# KiCad board IO_SDR_1.1.kicad_pcb (continued)
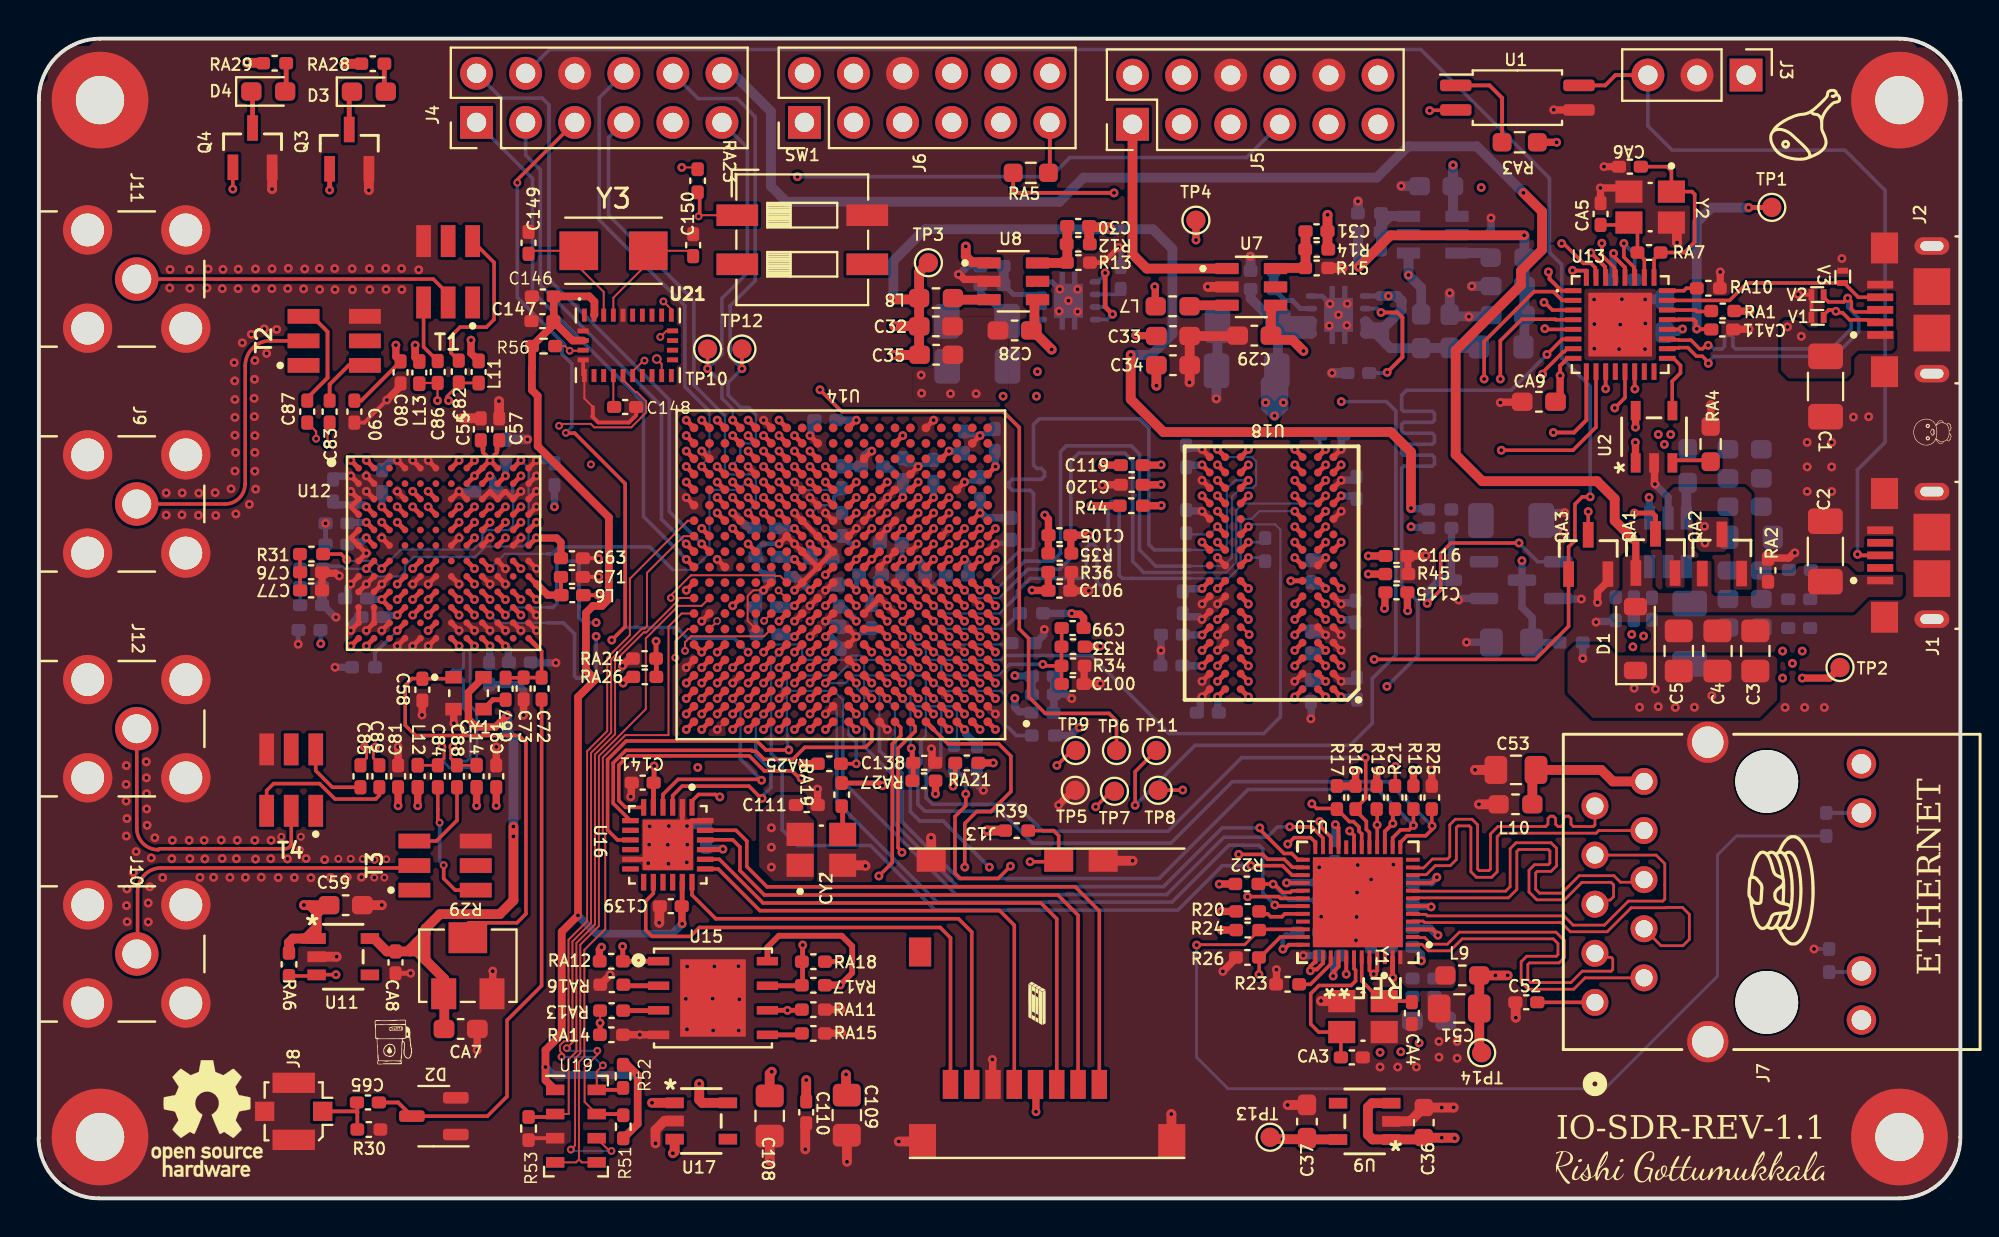
[diagram p0: board, top side]
## Nets (continued)
GND: C1.2 C2.2 C3.2 C4.2 C5.2 C6.2 C7.2 C8.2 C9.2 C11.2 C12.2 C13.2 C15.2 C16.2 C17.2 C18.2 C19.2 C20.2 C21.2 C22.2 C23.2 C24.2 C25.2 C26.2 C27.2 C28.2 C29.2 C32.2 C33.2 C34.2 C35.2 C36.2 C37.2 C38.2 C39.2 C40.2 C41.2 C42.2 C43.2 C44.2 C45.2 C46.2 C47.2 C48.2 C49.2 C50.2 C51.2 C52.1 C53.1 C54.2 C55.2 C56.2 C57.2 C58.2 C59.2 C60.2 C61.2 C62.2 C63.2 C64.2 C66.2 C68.2 C69.2 C70.2 C71.2 C73.2 C74.2 C75.2 C76.1 C77.1 C78.1 C79.1 C80.2 C81.2 C90.2 C91.2 C92.2 C93.2 C94.2 C95.2 C96.2 C97.2 C98.2 C100.2 C101.2 C102.2 C103.2 C104.2 C106.2 C107.2 C108.2 C109.2 C110.2 C111.2 C112.2 C113.2 C114.2 C116.2 C117.2 C118.2 C120.2 C121.2 C122.2 C123.2 C124.2 C125.2 C126.2 C127.2 C128.2 C129.2 C130.2 C131.2 C132.2 C133.2 C134.2 C135.2 C136.2 C137.2 C138.2 C139.2 C140.2 C141.2 C146.2 C147.2 C148.2 C149.2 C150.2 CA1.2 CA2.2 CA3.2 CA4.2 CA5.2 CA6.2 CA7.2 CA8.2 CA9.1 CA10.1 CA11.1 CY1.2 CY2.2 D2.1 D2.2 H1.1 H2.1 H3.1 H4.1 J1.5 J1.S1 J1.S2 J1.S3 J1.S4 J1.S5 J1.S6 J2.5 J2.S1 J2.S2 J2.S3 J2.S4 J2.S5 J2.S6 J3.2 J4.6 J5.6 J5.10 J6.6 J7.15 J7.16 J8.2 J9.SH1 J9.SH2 J9.SH3 J9.SH4 J10.SH1 J10.SH2 J10.SH3 J10.SH4 J11.SH1 J11.SH2 J11.SH3 J11.SH4 J12.SH1 J12.SH2 J12.SH3 J12.SH4 J13.6 J13.S1 J13.S2 J13.S3 J13.S4 L10.1 Q1.2 Q2.2 Q3.2 Q4.2 QA3.2 R5.2 R7.2 R9.2 R11.2 R13.2 R15.2 R23.1 R25.1 R26.1 R27.2 R29.3 R30.2 R34.2 R36.2 R38.2 R43.2 R45.2 R46.2 R47.2 R53.2 RA2.2 RA4.2 RA8.2 RA10.2 RA11.2 RA14.2 RA15.2 RA16.2 RA24.1 SW1.4 T1.4 T2.4 T3.4 T4.4 TP5.1 U1.3 U2.2 U3.2 U4.2 U5.4 U5.9 U6.4 U6.9 U7.2 U8.2 U9.2 U10.47 U10.49 U11.2 U12.A4 U12.A5 U12.A6 U12.A12 U12.B1 U12.B2 U12.B12 U12.C1 U12.C2 U12.C4 U12.C7 U12.C8 U12.C9 U12.C10 U12.C11 U12.C12 U12.D1 U12.D12 U12.E1 U12.F1 U12.F3 U12.F7 U12.F9 U12.F11 U12.G1 U12.G10 U12.G12 U12.H1 U12.H2 U12.H3 U12.H5 U12.H6 U12.H7 U12.H9 U12.H10 U12.J1 U12.J2 U12.K1 U12.K2 U12.K12 U12.L1 U12.L2 U12.L3 U12.L7 U12.L8 U12.L9 U12.L10 U12.L11 U12.L12 U12.M4 U12.M5 U12.M6 U13.33 U14.A8 U14.A18 U14.B1 U14.B11 U14.C4 U14.C9 U14.C14 U14.D17 U14.E10 U14.E20 U14.F3 U14.F7 U14.F10 U14.G10 U14.G12 U14.G16 U14.H7 U14.H9 U14.H11 U14.H13 U14.H19 U14.J2 U14.J8 U14.J12 U14.K5 U14.K7 U14.K11 U14.K13 U14.K15 U14.L8 U14.L12 U14.L18 U14.M1 U14.M6 U14.M7 U14.M11 U14.M13 U14.N4 U14.N8 U14.N10 U14.N12 U14.N14 U14.P7 U14.P9 U14.P11 U14.P13 U14.P17 U14.R8 U14.R12 U14.R20 U14.T3 U14.T7 U14.T13 U14.U6 U14.U16 U14.V9 U14.V19 U14.W2 U14.W12 U14.Y5 U14.Y15 U15.4 U15.9 U16.2 U16.11 U16.24 U16.25 U17.2 U18.A9 U18.B1 U18.B3 U18.B9 U18.D1 U18.D8 U18.E1 U18.E2 U18.E8 U18.F9 U18.G1 U18.G8 U18.G9 U18.J2 U18.J8 U18.M1 U18.M9 U18.P1 U18.P9 U18.T1 U18.T9 U19.3 U21.2 U21.5 U21.6 U21.25 V1.1 V2.1 V3.1 Y1.2 Y1.4 Y2.2 Y2.4
VCC: C37.1 C38.1 C41.1 C43.1 C45.1 C47.1 C50.1 J7.14 R16.1 R17.1 R18.1 R19.1 R20.1 R22.2 R24.1 TP13.1 U9.5 U10.6 U10.37 U10.38 U10.41 U10.44 U10.45
VDDA1P1_RX_VCO: R32.2 U12.A11 U12.G2
+12L: C23.1 C27.1 C54.1 C56.1 C60.1 C62.1 C64.1 C69.1 C70.1 R8.1 U5.1 U5.2 U12.B9 U12.B10 U12.E2 U12.F2 U12.J3 U12.K3
+VSW: C71.1 L6.2 U12.H12
/Sheet1/TPP: C13.1 L2.2 L3.2 U5.5 U5.7 U5.8 U6.5 U6.7 U6.8
/Sheet2/LED0_AD0: R24.2 R28.2 U10.34
/Sheet2/LED1_AD1: J7.11 R26.2 U10.35
/Sheet2/LED2_RXDLY: R20.2 U10.32
/Sheet2/MAC_MDC: RA5.1 U10.30
/Sheet2/MDI0_N: J7.3 U10.2
/Sheet2/MDI0_P: J7.2 U10.1
/Sheet2/MDI1_N: J7.7 U10.5
/Sheet2/MDI1_P: J7.4 U10.4
/Sheet2/MDI2_N: J7.6 U10.8
/Sheet2/MDI2_P: J7.5 U10.7
/Sheet2/MDI3_N: J7.9 U10.11
/Sheet2/MDI3_P: J7.8 U10.10
/Sheet2/REGOUT: L9.1 U10.48
/Sheet2/RGMI_YE-: J7.13 R28.1
/Sheet2/RGMII_GR-: J7.12 R27.1
/Sheet2/XTAL_IN: CA3.1 U10.42 Y1.3
/Sheet2/XTAL_OUT: CA4.1 U10.43 Y1.1
/Sheet3/REFCLK: CA5.1 RA7.1 U13.26 Y2.3
/Sheet3/RX1A_N: C85.1 U12.M2
/Sheet3/RX1A_P: C89.1 U12.M1
/Sheet3/RX2A_N: C83.1 U12.A1
/Sheet3/RX2A_P: C87.1 U12.A2
/Sheet3/SUP: C65.1 C72.2 D2.3
/Sheet3/TX1A_N: C84.1 L12.1 U12.M8
/Sheet3/TX1A_P: C88.1 L14.1 U12.M7
/Sheet3/TX2A_N: C82.1 L11.1 U12.A7
/Sheet3/TX2A_P: C86.1 L13.1 U12.A8
/Sheet3/UB1: J11.1 T1.2
/Sheet3/UB2: J9.1 T2.2
/Sheet3/UB3: J10.1 T3.2
/Sheet3/UB4: J12.1 T4.2
/Sheet3/XO: CA6.1 RA7.2 U13.25 Y2.1
/Sheet3/XT1: C67.2 C72.1 C73.1 U12.M12
/Sheet4/CMDB0: J13.3 U16.20
/Sheet4/CMDB1: J13.5 U16.19
/Sheet4/DAT0: J13.7 U16.18
/Sheet4/DAT1: J13.8 U16.14
/Sheet4/DAT2: J13.1 U16.23
/Sheet4/DAT3: J13.2 U16.22
/Sheet4/DDR-CK_N: R48.2 U14.M2 U18.K7
/Sheet4/DDR-CK_P: R48.1 U14.L2 U18.J7
/Sheet4/DDR-DQ0: U14.C3 U18.E3
/Sheet4/DDR-DQ1: U14.B3 U18.F7
/Sheet4/DDR-DQ2: U14.A2 U18.F2
/Sheet4/DDR-DQ3: U14.A4 U18.F8
/Sheet4/DDR-DQ4: U14.D3 U18.H3
/Sheet4/DDR-DQ5: U14.D1 U18.H8
/Sheet4/DDR-DQ6: U14.C1 U18.G2
/Sheet4/DDR-DQ7: U14.E1 U18.H7
/Sheet4/DDR-DQ8: U14.E2 U18.D7
/Sheet4/DDR-DQ9: U14.E3 U18.C3
/Sheet4/DDR-DQ10: U14.G3 U18.C8
/Sheet4/DDR-DQ11: U14.H3 U18.C2
/Sheet4/DDR-DQ12: U14.J3 U18.A7
/Sheet4/DDR-DQ13: U14.H2 U18.A2
/Sheet4/DDR-DQ14: U14.H1 U18.B8
/Sheet4/DDR-DQ15: U14.J1 U18.A3
/Sheet4/DDR-LDM: U14.A1 U18.E7
/Sheet4/DDR-LDQS_N: U14.B2 U18.G3
/Sheet4/DDR-LDQS_P: U14.C2 U18.F3
/Sheet4/DDR-RESET: R46.1 U14.B4 U18.T2
/Sheet4/DDR-UDM: U14.F1 U18.D3
/Sheet4/DDR-UDQS_N: U14.F2 U18.B7
/Sheet4/DDR-UDQS_P: U14.G2 U18.C7
/Sheet4/H6: C99.2 C100.1 R33.2 R34.1 U14.H6
/Sheet4/P6: C105.2 C106.1 R35.2 R36.1 U14.P6
/Sheet4/PS-DDR-A0: U14.N2 U18.N3
/Sheet4/PS-DDR-A1: U14.K2 U18.P7
/Sheet4/PS-DDR-A2: U14.M3 U18.P3
/Sheet4/PS-DDR-A3: U14.K3 U18.N2
/Sheet4/PS-DDR-A4: U14.M4 U18.P8
/Sheet4/PS-DDR-A5: U14.L1 U18.P2
/Sheet4/PS-DDR-A6: U14.L4 U18.R8
/Sheet4/PS-DDR-A7: U14.K4 U18.R2
/Sheet4/PS-DDR-A8: U14.K1 U18.T8
/Sheet4/PS-DDR-A9: U14.J4 U18.R3
/Sheet4/PS-DDR-A10: U14.F5 U18.L7
/Sheet4/PS-DDR-A11: U14.G4 U18.R7
/Sheet4/PS-DDR-A12: U14.E4 U18.N7
/Sheet4/PS-DDR-A13: U14.D4 U18.T3
/Sheet4/PS-DDR-A14: U14.F4 U18.T7
/Sheet4/PS-DDR-BA0: U14.L5 U18.M2
/Sheet4/PS-DDR-BA1: U14.R4 U18.N8
/Sheet4/PS-DDR-BA2: U14.J5 U18.M3
/Sheet4/PS-DDR-CAS: U14.P5 U18.K3
/Sheet4/PS-DDR-CKE: U14.N3 U18.K9
/Sheet4/PS-DDR-CS: U14.N1 U18.L2
/Sheet4/PS-DDR-ODT: U14.N5 U18.K1
/Sheet4/PS-DDR-RAS: U14.P4 U18.J3
/Sheet4/PS-DDR-WE: U14.M5 U18.L3
/Sheet4/XTAL111: CY2.3 RA19.2
AD9363_AUXADC: U12.L5
AD9363_AUXDAC1: U12.B3
AD9363_AUXDAC2: U12.C3
AD9363_GPO_0: U12.B7
AD9363_GPO_1: U12.B6
AD9363_GPO_2: U12.B5
AD9363_GPO_3: U12.B4
BNO_boot: R56.2 U14.H15 U21.4
BNO_RESET: U14.G19 U21.11
CD: J13.DS R39.2 U14.B14
CSB: U14.H20 U19.4 U19.5
CTRL_IN0: U12.C5 U14.E17
CTRL_IN1: U12.C6 U14.D18
CTRL_IN2: U12.D6 U14.E18
CTRL_IN3: U12.D5 U14.E19
DONE: Q4.1 TP6.1 U14.R11
ETH_RXCTL: R25.2 U10.13 U14.D13
EXT_CLK_EN: J5.7 RA6.2 U11.3
EXTSYN: U14.G15 U21.10
FPGA-REST: C138.1 RA27.2 U14.C7
H-INT: U14.G20 U21.14
H_RX: U14.K14 U21.19
H_TX: U14.J14 U21.20
IO_02_34_AD9361_CLKOUT: U12.J6 U14.N17
IO_02_34_AD9361_RST: U12.K5 U14.P18
IO_L01_34_FB_CLK: U12.F10 U14.P15
IO_L01_34_RX_D0: U12.K11 U14.V13
IO_L01_34_RX_D1: U12.J12 U14.T14
IO_L02_34_RX_D2: U12.K10 U14.U13
IO_L02_34_RX_D3: U12.J11 U14.U12
IO_L03_34_RX_D4: U12.K9 U14.T12
IO_L03_34_RX_D5: U12.J10 U14.T10
IO_L04_34_RX_D6: U12.K8 U14.T11
IO_L04_34_RX_D7: U12.J9 U14.T15
IO_L4N_TO_35: J6.3 U14.D20
IO_L4P_TO_35: J6.4 U14.D19
IO_L05_34_RX_D8: U12.K7 U14.V12
IO_L05_34_RX_D9: U12.J8 U14.W13
IO_L06_34_RX_D10: U12.J7 U14.P14
IO_L06_34_RX_D11: U12.H8 U14.R14
IO_L07_34_RX_FRAME: U12.G8 U14.Y16
IO_L7N: J4.3 U14.M20
IO_L7P: J4.2 U14.M19
IO_L08_34_CTRL_OUT0: U12.D4 U14.W14
IO_L08_34_CTRL_OUT1: U12.E4 U14.Y14
IO_L08_34_CTRL_OUT2: U12.E5
IO_L08_34_CTRL_OUT3: U12.E6
IO_L08_34_CTRL_OUT4: U12.F6
IO_L08_34_CTRL_OUT5: U12.F5
IO_L08_34_CTRL_OUT6: U12.F4
IO_L08_34_CTRL_OUT7: U12.G4
IO_L09_34_TX_FRAME: U12.G9 U14.T16
IO_L9N: J4.1 U14.L20
IO_L10_34_EN_AGC: U12.G5 U14.W15
IO_L10P: J4.9 U14.V15
IO_L11_34_ENABLE: U12.G6 U14.U15
IO_L11_34_TXNRX: U12.H4 U14.U14
IO_L12_MRCC_34_DATA_CLK: U12.G11 U14.U18
IO_L12N: J4.8 U14.U19
IO_L13_34_CTRL_OUT2: U14.N18
IO_L13_34_CTRL_OUT3: U14.P19
IO_L15_34_TX_D0: U12.E12 U14.T20
IO_L15_34_TX_D1: U12.D11 U14.Y19
IO_L15N_T2: J6.1
IO_L15P_T2: J6.2 U14.F19 U14.F20
IO_L16_34_TX_D2: U12.E11 U14.U20
IO_L16_34_TX_D3: U12.D10 U14.V20
IO_L17_34_TX_D4: U12.E10 U14.W20
IO_L17_34_TX_D5: U12.D9 U14.Y18
IO_L18_34_TX_D6: U12.E9 U14.W16
IO_L18_34_TX_D7: U12.D8 U14.V16
IO_L19_34_TX_D8: U12.E8 U14.R17
IO_L19_34_TX_D9: U12.D7 U14.R16
IO_L20_34_TX_D10: U12.F8 U14.R18
IO_L20_34_TX_D11: U12.E7 U14.T17
IO_L21_34_CTRL_OUT4: U14.V17
IO_L21_34_CTRL_OUT5: U14.V18
IO_L22_34_CTRL_OUT6: U14.W18
IO_L22_34_CTRL_OUT7: U14.W19
IO_L23_35_SPI_CLK: U12.J5 U14.B19
IO_L23_35_SPI_ENB: U12.K6 U14.A20
IO_L24_35_SPI_D0: U12.L6 U14.C20
IO_L24_35_SPI_DI: U12.J4 U14.B20
IO_L24N: J4.7 U14.P16
JTAG_BOOT: J5.11 RA18.2
MAC_MDIO: R21.2 U10.31 U14.C11
PHY_RST: C39.1 R22.1 U10.29
PHY_RXCLK: U10.19 U14.B17
PHY_RXD0: R18.2 U10.14 U14.D11
PHY_RXD1: R19.2 U10.16 U14.A16
PHY_RXD2: R16.2 U10.17 U14.F15
PHY_RXD3: R17.2 U10.18 U14.A15
PHY_TXCLK: U10.22 U14.A19
PHY_TXD0: U10.23 U14.E14
PHY_TXD1: U10.24 U14.B18
PHY_TXD2: U10.25 U14.D10
PHY_TXD3: U10.26 U14.A17
PHY_TXEN: U10.27 U14.F14
PS: R53.1 U14.J20 U19.2
PS_MI00: J4.4 QA3.1 U14.E6
PS_MI09: J6.12 U14.B5
PS_MI010: U14.E9
PS_MI011: J4.5 U14.C6
PS_MI046: J6.9 U14.D16
PS_MI048: J6.7 U14.B12
PS_MI049: J6.8 U14.C12
PS_MI051: U14.B9
PS_MI052: J6.11 RA5.2 U14.C10
PS_MIO01_500_QSPI0_SS_B: RA12.2 U14.A7 U15.1
PS_MIO02_500_QSPI0_IO0: RA15.1 U15.5
PS_MIO03_500_QSPI0_IO1: RA16.1 U15.2
PS_MIO04_500_QSPI0_IO2: RA13.1 U15.3
PS_MIO05_500_QSPI0_IO0: U14.B8
PS_MIO05_500_QSPI0_IO1: U14.D6
PS_MIO05_500_QSPI0_IO2: U14.B7
PS_MIO05_500_QSPI0_IO3: RA17.2 RA18.1 U14.A6 U15.7
PS_MIO06_500_QSPI0_SCLK: RA11.1 U14.A5 U15.6
PS_MIO07_500_USB_RESET_B: J6.10 RA9.1 U13.27
PS_MIO28_501_USB0_D4: U13.7 U14.C16
PS_MIO29_501_USB0_DIR: U13.31 U14.C13
PS_MIO30_501_USB0_STP: U13.29 U14.C15
PS_MIO31_501_USB0_NXT: U13.2 U14.E16
PS_MIO32_501_USB0_D0: U13.3 U14.A14
PS_MIO33_501_USB0_D1: U13.4 U14.D15
PS_MIO34_501_USB0_D2: U13.5 U14.A12
PS_MIO35_501_USB0_D3: U13.6 U14.F12
PS_MIO36_501_USB0_CLK: U13.1 U14.A11
PS_MIO37_501_USB0_D5: U13.9 U14.A10
PS_MIO38_501_USB0_D6: U13.10 U14.E13
PS_MIO39_501_USB0_D7: U13.13 U14.C18
PTI: J1.3 J3.3 U1.4
SCL: J4.10 TP12.1 U14.U17
SCLK-1: R52.2 U14.P20 U19.8
SD0-1: U14.J19 U19.6
SD_BOOT: J5.12 RA13.2 RA14.1
SDA: J4.11 TP10.1 U14.Y17
SDA-1: R51.2 U14.N20 U19.7
SDMMC_CLK: U14.D14 U16.9
SDMMC_CMD: U14.C17 U16.4
SDMMC_D0: U14.E12 U16.6
SDMMC_D1: U14.A9 U16.7
SDMMC_D2: U14.F13 U16.1
SDMMC_D3: U14.B15 U16.3
TCK: J5.3 TP11.1 U14.F9
TDI: J5.5 TP9.1 U14.G6
TDO: J5.4 TP8.1 U14.F6
TMS: J5.2 TP7.1 U14.J6
TX_VCO_1P1V_SUPPLY: R31.2 U12.B11 U12.G3
UART_RX: J5.8 U14.E8
UART_TX: J5.9 U14.D9
USB_ID: J2.4 U13.23 V3.2
USB_OTG_CPEN: U2.4 U13.17
USB_OTG_N: J2.2 U13.19 V1.2
USB_OTG_P: J2.3 U13.18 V2.2
USB_VBUS_OTG: RA1.1 U13.22
USR_BTN: RA20.2 RA23.2 SW1.1
USR_LED: Q3.1 U14.C8
Net-(C10-Pad1): C10.1 C11.1 C12.1 L1.2 L3.1 R4.1
Net-(C14-Pad1): C14.1 C15.1 C16.1 C18.1 L4.2 L5.1 R6.1
Net-(C76-Pad2): C76.2 C77.2 R31.1
Net-(C78-Pad2): C78.2 C79.2 R32.1
Net-(C82-Pad2): C82.2 T1.6
Net-(C83-Pad2): C83.2 T2.6
Net-(C84-Pad2): C84.2 T3.6
Net-(C85-Pad2): C85.2 T4.6
Net-(C86-Pad2): C86.2 T1.3
Net-(C87-Pad2): C87.2 T2.3
Net-(C88-Pad2): C88.2 T3.3
Net-(C89-Pad2): C89.2 T4.3
Net-(CY1-Out): C67.1 CY1.3
Net-(CY1-Standby): C58.1 CY1.1 R29.2
Net-(D3-A): D3.2 RA28.2
Net-(D3-K): D3.1 Q3.3
Net-(D4-A): D4.2 RA29.2
Net-(D4-K): D4.1 Q4.3
Net-(J7-EARTH): C53.2 J7.10 L10.2
Net-(J7-TCT): C52.2 J7.1
Net-(J8-In): C65.2 J8.1 R30.1
Net-(Q1-B): Q1.1 Q2.3 R2.2
Net-(Q1-C): C9.1 Q1.3 R3.2 U4.1
Net-(Q2-B): C7.1 Q2.1 R1.2
Net-(QA1-S): QA1.2 QA2.2
Net-(QA3-D): QA3.3 U1.2
Net-(RA3-Pad2): RA3.2 U1.1
Net-(U2-OCB): RA4.1 U2.3
Net-(U3-FB/OUT): C10.2 R4.2 R5.1 U3.6
Net-(U3-LX): L1.1 U3.3
Net-(U4-FB/OUT): C14.2 R6.2 R7.1 U4.6
Net-(U4-LX): L4.1 U4.3
Net-(U5-FB): R8.2 R9.1 U5.3
Net-(U5-NR): C24.1 U5.6
Net-(U6-FB): R10.2 R11.1 U6.3
Net-(U6-NR): C22.1 U6.6
Net-(U7-FB/OUT): C31.2 R14.2 R15.1 U7.6
Net-(U7-LX): L7.1 U7.3
Net-(U8-FB/OUT): C30.2 R12.2 R13.1 U8.6
Net-(U8-LX): L8.1 U8.3
Net-(U10-RSET): R23.2 U10.39
Net-(U12-RBIAS): RA8.1 U12.L4
Net-(U13-RBIAS): RA10.1 U13.24
Net-(U13-VDD33): CA10.2 U13.20
Net-(U14C-INIT_B_0): R40.1 U14.R10
Net-(U14C-PROGRAM_B_0): R41.1 U14.L6
Net-(U14C-VP_0): R42.2 R43.1 U14.K9
Net-(U14G-PS_DDR_VRN_502): R38.1 U14.G5
Net-(U14G-PS_DDR_VRP_502): R37.1 U14.H5
Net-(U14H-PS_CLK_500): RA19.1 U14.E7
Net-(U14H-PS_MIO7_500): RA21.1 U14.D8
Net-(U14H-PS_MIO8_500): RA22.1 U14.D5
Net-(U14H-PS_MIO14_500): RA20.1 U14.C5
Net-(U14I-PS_MIO_VREF_501): RA24.2 RA26.2 U14.E11
Net-(U14I-PS_SRST_B_501): RA25.1 U14.B10
Net-(U18-ZQ0): R47.1 U18.L8
Net-(U21-CAP): C148.1 U21.9
Net-(U21-XIN32): C149.1 U21.27 Y3.1
Net-(U21-XOUT32): C150.1 U21.26 Y3.2

Pads without a net: J1 2 4; J13 DL; SW1 2 3; T1 1 5; T2 1 5; T3 1 5; T4 1 5; U3 5; U4 5; U7 5; U8 5; U9 4; U10 12 20 33 46; U11 4; U12 A3 G7 H11 M3 M11; U13 12 15 16; U14 B13 F16 F17 G14 G17 G18 H16 H17 H18 J9 J15 J16 J18 K16 K17 K18 K19 L14 L15 L16 L17 L19 M14 M15 M17 M18 N15 N16 P1 P3 R1 R2 R3 R19 T1 T2 T4 T5 T9 T19 U2 U3 U4 U5 U7 U8 U9 U10 V1 V2 V3 V5 V6 V7 V8 V10 V11 W1 W3 W4 W5 W6 W8 W9 W10 W11 Y1 Y2 Y3 Y4 Y6 Y7 Y8 Y9 Y11 Y12 Y13; U16 8 10 12 13 15 16; U17 4; U18 J1 J9 L1 L9 M7; U21 1 7 8 12 13 15 16 17 18 21 22 23 24

## Via types
v1: diameter 0.457, hole 0.203, Top.Cu to Bottom.Cu, 1006 vias
v2: diameter 0.406, hole 0.203, Top.Cu to Bottom.Cu, 37 vias
v3: diameter 0.4, hole 0.25, Top.Cu to Bottom.Cu, 1 via
v4: diameter 0.5, hole 0.3, Top.Cu to Bottom.Cu, 1 via

## Routing (per net, layer and track width the routed paths; a pad name or vN(x,y) marks a point on that pad's centre or on a via; arc(x,y) is an arc through that point)
+1V0: length 83
  Top.Cu w0.254: U14.N7 v1(44.71,34.65) ; v1(39.11,30.65) U14.J13 ; v1(39.11,29.05) U14.G13 ; v1(39.91,33.85) U14.M12 ; v1(39.11,33.05) U14.L13 ; U14.J7 v1(44.71,30.65) ; U14.G7 v1(44.71,29.05) ; U14.L7 v1(44.71,33.05) ; v1(39.11,36.25) U14.R13 ; U14.P8 v1(43.91,35.45) ; U14.R7 v1(44.72,36.25) ; v1(39.11,34.65) U14.N13 ; v1(39.91,31.45) U14.K12 ; v1(40.71,29.05) U14.G11 ; v1(39.91,35.45) U14.P12 ; U14.H10 v1(42.31,29.85) ; v1(39.91,29.85) U14.H12
  Top.Cu w0.508: 45.56,45.1 45.54,45.12 v1(44.27,45.12) ; 45.56,45.1 45.56,45.1 ; 45.56,45.1 L8.2 ; v1(44.21,46.49) 45.49,46.49 L8.2 ; v1(55.47,50.12) 55.45,50.12 55.34,50.23 54.42,50.23 C30.1 54.36,49.38 R12.1 ; v1(56.51,43.62) 56.51,41.33 58.2,39.63 69.97,39.63 71.01,38.6 v1(71.01,35.7) ; 45.56,45.1 45.56,43.65 C35.1 45.57,43.62 v1(44.27,43.62) ; L8.2 45.56,47.91 TP3.1
  Bottom.Cu w0.113: 41.55,36.73 41.47,36.65 39.59,36.65 39.19,36.25 v1(39.11,36.25) ; v1(39.91,35.45) 39.99,35.45 40.39,35.85 40.94,35.85
  Bottom.Cu w0.203: 41.55,36.73 41.55,36.67 41.15,36.28 41.15,36.06 40.94,35.85
  Bottom.Cu w0.254: v1(44.71,33.05) 44.68,33.08 44.68,33.87 C96.1
  Bottom.Cu w0.381: v1(71.01,35.7) 71.05,35.66 71.8,35.66 71.83,35.7 R1.1 ; C92.1 38.16,34.65 39.11,34.65 v1(39.11,34.65) ; C102.1 38.39,29.06 39.1,29.06 v1(39.11,29.05) ; v1(39.11,30.65) 39.1,30.63 38.25,30.63 C94.1 ; C98.1 41.5,28.53 41,29.03 40.73,29.03 v1(40.71,29.05) ; C97.1 41.56,30.61 42.31,29.86 v1(42.31,29.85) ; C95.1 38.35,33.06 39.1,33.06 v1(39.11,33.05) ; v1(39.91,33.85) 39.92,33.83 39.92,33.09 C104.1 ; 44.71,36.25 v1(44.72,36.25) C101.1 44.6,37.26 44.53,37.26 44.06,37.74 43.81,37.74 C93.1 ; 39.09,32.19 39.15,32.19 39.89,31.45 v1(39.91,31.45)
  Bottom.Cu w0.508: v1(56.51,43.62) 57.57,43.62 58.67,44.72 58.67,49.11 57.65,50.12 v1(55.47,50.12) 45.87,50.12 44.22,48.48 44.22,46.5 v1(44.21,46.49)
+1V2: length 28.9
  Top.Cu w0.2: C90.1 16.7,41.26 C80.1
  Top.Cu w0.203: 23.35,38.22 23.72,38.59 23.72,38.69 ; 23.35,38.22 22.99,38.58 22.99,38.69 ; 23.35,38.22 v1(23.35,38.17)
  Top.Cu w0.254: U12.A10 v1(23.35,38.17) U12.A9 v1(22.55,37.37) 22.15,36.97 ; U12.M9 v1(23.35,28.57) ; U12.M10 v1(24.15,28.57) ; v1(16.95,35.77) U12.D2 ; v1(17.75,34.97) 18.15,34.57 ; 22.99,38.69 22.99,39.09 C55.1 ; v1(18.55,30.17) U12.K4 ; C57.1 23.72,39.09 23.72,38.69 ; v1(17.75,35.77) 18.15,35.37 ; 25.35,33.77 v1(25.75,34.17)
  Top.Cu w0.381: v1(22.66,20.3) L14.2 ; v1(25.75,34.17) 25.77,34.15 26.8,34.15 27.03,33.93 C63.1 ; v1(18.48,44.13) 18.48,43.53 C80.1 ; v1(22.37,44.39) 22.37,43.71 L11.2 ; v1(19.61,20.3) L12.2 ; v1(23.68,20.31) C91.1 ; v1(18.6,20.3) C81.1
  Top.Cu w0.4: L13.2 19.48,43.5 v1(19.48,44.13)
  Bottom.Cu w0.381: C21.1 50.12,45.6 49.12,46.59 48.96,46.59 48.74,46.82 R10.1 ; v1(23.35,28.57) 23.34,28.55 23.34,27.73 C74.1 ; v1(17.75,35.77) 17.76,35.78 17.76,36.52 C68.1 ; 24.33,27.72 24.3,27.75 24.3,28.4 24.15,28.55 v1(24.15,28.57) ; C66.1 15.23,35.99 15.35,35.87 16.83,35.87 16.93,35.77 v1(16.95,35.77) ; v1(18.55,30.17) 18.54,30.15 17.83,30.15 17.73,30.06
  vias: v1(49.9,41.49) v1(51.68,42.76) v1(51.63,41.49)
+1V5: length 58.4
  Top.Cu w0.254: U14.A3 v1(47.91,24.25) ; U14.P2 v1(48.71,35.45) ; v1(60.2,31.54) U18.H9 ; v1(60.2,27.54) U18.C9 ; U18.D2 v1(66.6,28.34) ; v1(60.2,29.14) U18.E9 ; U18.F1 v1(67.4,29.94) ; U14.V4 v1(47.11,38.65) ; U14.H4 v1(47.11,29.85) ; U14.R5 v1(46.31,36.25) ; U18.N1 v1(67.4,36.34) ; U18.C1 v1(67.4,27.54) ; U18.H2 v1(66.6,31.54) ; U14.U1 v1(49.51,37.85) ; U18.G7 v1(62.6,30.74) ; U14.G1 v1(49.51,29.05) ; U18.B2 v1(66.6,26.74) ; v1(60.2,37.94) U18.R9 ; U18.R1 v1(67.4,37.94) ; v1(60.2,28.34) U18.D9 ; v1(61,33.94) U18.K8 ; U18.K2 v1(66.6,33.94) ; U14.D2 v1(48.71,26.65) ; U14.L3 v1(47.91,33.05) ; U14.E5 v1(46.31,27.45) ; U18.A1 v1(67.4,25.94) ; v1(61,25.94) U18.A8 ; v1(60.2,36.34) U18.N9
  Top.Cu w0.381: v1(56.76,44.64) 56.78,44.62 57.82,44.62 C33.1 ; R35.1 53.41,33.38 53.41,34.27 53.39,34.3 C105.1 53.39,34.3 54.35,34.3 v1(54.35,34.3) ; v1(54.45,35.82) R44.1 ; R33.1 54.15,28.56 54.16,28.55 54.92,28.55 v1(54.93,28.56) ; v1(70.84,30.39) 70.83,30.4 C115.1 ; C99.1 54.07,30.03 53.88,30.21 53.49,30.21 v1(53.46,30.25) ; TP4.1 59.88,50.59 59.88,49.57 v1(59.89,49.57) ; v1(55.04,37.91) 55.05,37.92 C119.1 ; v1(57.75,47.15) 57.78,47.13 57.78,46.16 L7.2
  Top.Cu w0.508: C34.1 57.84,42.03 v1(57.84,42.03) ; R14.1 66.69,49.12 C31.1 66.69,50.86 v1(66.7,50.87)
  In2_Sig1.Cu w0.113: 66.69,50.88 61.2,50.88 v1(59.89,49.57)
  Bottom.Cu w0.381: 59.21,27.54 v1(60.2,27.54) ; v1(66.6,26.74) 66.58,26.75 65.98,26.75 65.86,26.87 65.86,26.89 ; v1(60.2,31.54) 60.18,31.52 59.32,31.52 59.2,31.4 C130.1 ; 51.4,25.11 51.35,25.16 50.74,25.16 50.51,25.39 v1(50.51,25.87) ; 68.24,36.2 68.24,36.2 68.12,36.32 67.41,36.32 v1(67.4,36.34) ; v1(47.91,24.25) 47.96,24.2 47.96,24.04 48.55,23.46 C123.1 ; C121.1 49.02,35.2 48.77,35.45 v1(48.71,35.45) C125.1 ; v1(49.51,37.85) 49.5,37.86 49.5,38.64 C127.1 ; C131.1 46.3,37.05 46.3,36.25 v1(46.31,36.25) ; 59.21,29.14 v1(60.2,29.14) ; 65.8,31.85 65.8,31.8 65.92,31.68 66.44,31.68 66.58,31.54 v1(66.6,31.54) ; C117.1 47.77,38.63 47.13,38.63 v1(47.11,38.65) ; 61.06,25.08 61.01,25.13 61.01,25.92 v1(61,25.94) ; 65.86,28.12 65.86,28.18 65.98,28.3 66.54,28.3 66.58,28.34 v1(66.6,28.34) ; v1(60.2,37.94) 60.18,37.92 59.4,37.92 59.33,37.85 ; v1(47.91,33.05) 47.91,33.03 48.05,32.89 48.05,32.25 C129.1 ; 53.41,30.25 v1(53.46,30.25) 53.45,30.25 51.98,30.25 R37.2 52.02,30.3 ; 68.14,29.85 68.06,29.92 67.41,29.92 v1(67.4,29.94) ; 68.19,25.78 68.19,25.8 68.07,25.92 67.41,25.92 v1(67.4,25.94) ; v1(50.51,27.04) 50.53,27.02 51.35,27.02 51.4,26.97 51.4,26.08
+1V8: length 76.6
  Top.Cu w0.102: v1(33.28,53.32) 34.01,53.32 RA23.1
  Top.Cu w0.203: v1(81.09,41.87) U13.11 ; 70.07,20.13 v1(70.07,19.39) 69.66,18.98 U10.15 ; U10.21 67.26,19.16 v1(67.1,19.33) ; U13.14 82.59,41.87 v1(82.6,41.86) ; v1(80.32,48.91) 81.06,48.17 81.06,47.66 U13.30 ; U13.32 80.09,47.98 79.39,47.98 v1(79.37,48) ; v1(78.73,42.55) 78.73,43.06 79.11,43.44 U13.8 ; U13.28 82.09,48.14 81.5,48.73 v1(81.5,48.88) ; v1(28.95,31.2) L6.1
  Top.Cu w0.254: v1(33.51,40.25) U14.Y20 ; v1(40.71,34.65) U14.N11 ; v1(34.31,34.65) U14.N19 ; U14.M9 v1(42.31,33.05) U14.L10 ; U14.N6 v1(45.51,34.65) ; U14.Y10 v1(42.31,40.25) ; U14.J10 v1(42.31,30.65) ; U14.K8 v1(43.91,31.45) ; U14.F8 v1(43.91,28.25) ; U14.W7 v1(44.71,39.45) ; v1(36.71,33.85) U14.M16 ; v1(37.51,27.45) U14.E15 ; U14.K6 v1(45.51,31.45) ; U14.R9 v1(43.11,36.25) ; U14.L9 v1(43.11,33.05) U14.M8 ; U14.T8 v1(43.91,37.05) ; U14.P10 v1(42.31,35.45) ; U14.B6 v1(45.51,25.05) ; U14.H8 v1(43.91,29.85) ; v1(39.91,26.65) U14.D12 ; v1(34.31,25.85) U14.C19 ; v1(35.11,28.25) U14.F18 ; U14.R6 v1(45.51,36.25) ; v1(31.84,22.36) 31.84,21.52 C141.1 31.81,21.49 31.81,20.23 U16.5 ; U14.G9 U14.G8 v1(43.91,29.05) ; U14.N9 v1(43.11,34.65) ; v1(36.71,25.05) U14.B16 ; U14.T6 v1(45.51,37.05) ; v1(40.71,37.85) U14.U11 ; v1(35.11,37.05) U14.T18 ; v1(40.71,28.25) U14.F11 ; v1(35.91,30.65) U14.J17 ; v1(40.71,32.25) U14.L11 ; v1(35.91,39.45) U14.W17 ; v1(39.11,24.25) U14.A13 ; v1(38.31,38.65) U14.V14 ; U14.D7 v1(44.71,26.65) ; U14.K10 v1(42.31,31.45) ; v1(38.31,29.85) U14.H14 ; v1(33.51,31.45) U14.K20 ; U14.M10 v1(42.31,33.85) ; v1(40.71,30.65) U14.J11 ; v1(37.51,36.25) U14.R15
  Top.Cu w0.3: U15.8 37.71,12.99 38.3,13.58 41.56,13.58 42.1,13.04 42.1,11.66 v1(41.48,11.04)
  Top.Cu w0.381: RA21.2 v1(49.4,22.52) ; CA9.2 78.73,41.44 v1(78.73,42.55) ; RA12.1 29.02,12.27 29.02,12.88 v1(29.13,12.99) ; RA26.1 30.56,26.97 v1(30.24,26.65) ; v1(39.53,22.48) 39.53,22.48 RA25.2 ; RA17.1 40.69,11.03 41.47,11.03 v1(41.48,11.04) ; v1(46.41,20.92) 46.41,21.59 RA27.1 ; v1(91.26,26.91) 92.66,26.91 TP2.1
  Top.Cu w0.508: R39.1 49.08,19.02 v1(49.07,19.03) ; 61.49,48.09 57.34,48.09 56.6,48.82 J5.1 ; 39.4,18.83 CY2.4
  Bottom.Cu w0.254: R40.2 41.57,34.22 41.77,34.03 41.8,34.03 41.95,33.89 42.27,33.89 v1(42.31,33.85) ; v1(42.31,31.45) 42.32,31.45 42.32,32.24 42.32,32.24
  Bottom.Cu w0.381: v1(53.85,24.35) 53.8,24.35 53.39,23.94 RA22.2 ; RA9.2 81.46,47.58 81.46,48.84 v1(81.5,48.88) ; C112.1 v1(42.31,40.25) ; v1(45.51,31.45) 45.51,31.45 44.72,32.24 R41.2 ; v1(67.1,19.33) 67.08,19.31 67.08,18.54 C48.1
  vias: v1(37.92,19.16) v1(37.92,18.16) v1(37.92,17.13) v1(90.24,28.31) v1(90.24,26.91) v1(90.75,27.67) v1(91.26,28.31)
+3.3V: length 31.4
  Top.Cu w0.381: v1(24.25,24.99) 23.64,24.38 22.65,24.38 22.24,24.79 22.24,26.17 CY1.4
  Top.Cu w0.508: 19.22,12.77 19.22,12.89 19.57,13.24 ; 19.22,12.77 19.57,12.77 ; 19.22,12.77 CA8.1 18.02,12.77 17.35,13.44 U11.5 ; 19.57,12.77 19.99,12.35 ; 19.57,12.77 19.57,13.24 ; 19.99,12.35 20.02,12.38 20.02,13.95 ; 19.99,12.35 20.99,11.35 20.99,8.77 CA7.1 ; 19.57,13.24 20.02,13.69 20.02,13.95 ; v1(24.57,19.23) 24.57,15.41 23.86,14.7 20.77,14.7 20.02,13.95 ; 22.85,27.02 22.95,27.02 CY1.4
  Bottom.Cu w0.508: v1(24.57,18.72) 24.57,23.8 24.25,24.12 v1(24.25,24.99)
+3V3: length 77.3
  Top.Cu w0.254: C139.1 33.3,15.13 33.3,16.34 U16.17 ; v1(35.41,18.06) 35.39,18.04 34.5,18.04 U16.21
  Top.Cu w0.381: C139.1 33.29,15.1 33.29,14.21 v1(33.3,14.2) ; J13.4 51.61,5.87 v1(51.61,4.48)
  Top.Cu w0.4: C147.1 26.66,45.39 C146.1 28.49,46.65 28.76,46.38 28.76,45.7 U21.28 ; C147.1 26.64,45.19 R56.1 25.53,42.97 25.52,42.96 25.52,41.81 25.82,41.51 25.82,38.91 29.51,35.22 29.51,31 29.15,30.64 28.68,30.64 28.32,30.28 28.32,27.32 28.81,26.83 27.91,25.93 v2(27.91,14.63) 27.07,13.79 27.07,8.51 26.23,7.67 v2(26.23,6.79) 26.23,6.11 U19.1 ; C147.1 27.64,44.37 U21.3 ; R51.1 31,3.85 v2(31,6.37) 30.46,6.91 R52.1
  Top.Cu w0.508: v1(34.18,5.93) 34.18,5.09 34.33,4.94 U17.5 ; v1(37.94,6.55) 37.83,6.44 C108.1 37.69,5.16 ; C109.1 41.78,5.38 v1(41.78,6.41) ; v1(39.72,6.12) C110.1
  Bottom.Cu w0.381: C140.1 34.63,18.09 35.37,18.09 v1(35.41,18.06)
  Bottom.Cu w0.4: v2(31,6.37) 30.58,6.37 30.57,6.38 26.64,6.38 v2(26.23,6.79) ; v1(33.3,14.2) 32.79,13.69 28.85,13.69 v2(27.91,14.63)
+5VA: length 58.1
  Top.Cu w0.203: v1(85.8,44.97) 85.75,45.02 85.75,45.34 85.63,45.46 84.86,45.46 84.85,45.45 84.27,45.45 U13.21 ; CA11.2 86.54,44.95 85.81,44.95
  Top.Cu w0.254: TP1.1 89.67,51.25 88.49,51.25 v1(88.49,51.24)
  Top.Cu w0.381: U2.5 82.63,40.74 82.63,39.89 v1(82.63,39.88) ; RA3.1 v1(78.55,54.62)
  Top.Cu w0.508: 14.38,14.01 13.81,13.44 13.64,13.44 ; 14.38,14.01 U11.1 13.64,13.44 ; 14.38,14.01 14.38,14.72 ; 14.03,15.16 14.38,14.81 14.38,14.72 ; 14.03,15.16 C59.1 14.83,15.16 14.38,14.72 ; 14.03,15.16 13.73,15.16 v1(13.73,15.17) ; v1(10.77,58.74) 10.78,58.73 11.59,58.73 RA29.1 ; v1(31.74,4.94) U17.1 ; 13.64,13.44 13.16,13.44 12.95,13.23 RA6.1 ; v1(15.82,58.68) 15.82,58.68 16.69,58.68 RA28.1 ; U17.3 32.91,2.42 v1(32.82,2.33) ; 71.75,3.13 v1(72.6,3.13) 73.25,3.13 v1(73.27,3.11) ; v1(52.42,43.9) 52.42,43.9 51.43,44.89 C28.1 51.53,45.05 51.53,46.44 51.56,46.48 U8.4 ; v1(65.45,43.82) 64.88,44.4 64.05,44.4 63.81,44.64 63.81,44.66 C29.1 63.77,45.95 64,46.19 ; 69.99,4.93 69,4.93 68.78,4.71 68.78,3.29 69.03,3.05 71.58,3.05 C36.1 ; v1(47.97,49.24) 47.97,48.71 48.27,48.42 49.14,48.42 U8.1
  In2_Sig1.Cu w0.113: v1(47.97,49.24) 49.33,49.24 49.93,48.64 49.93,44.55 50.58,43.9 v1(52.42,43.9)
  Bottom.Cu w0.381: v1(79.9,27.92) 79.9,27.93 79.9,28.74 79.9,28.74 R3.1 ; v1(71.01,34.74) 71.05,34.7 71.81,34.7 71.84,34.74 R2.1
  Bottom.Cu w0.508: L2.1 71.54,47.1 v1(70.88,47.75) U3.4 ; v1(85.8,44.97) 85.8,50.47 86.57,51.24 v1(88.49,51.24) ; 73.39,50.79 73.18,51.01 C6.1 73.18,53.43 v1(73.19,53.44)
  vias: v1(82.56,26.39) v1(82.84,25.4) v1(83.66,26.34) v1(83.81,25.43) v1(84.69,25.39) v1(85.68,25.4) v1(86.2,34.76) v1(86.23,33.89) v1(86.58,26)
+5VD: length 77.6
  Top.Cu w0.381: QA1.1 82.65,33.9
  Top.Cu w0.508: v1(76.83,52) 77.79,51.04 77.79,49.06 76.7,47.97 76.7,47.23 73.32,43.86 73.32,38.47 74.69,37.09 80.64,37.09 81.55,36.18 81.55,35.05 82.47,34.14 82.47,34.12
  Bottom.Cu w0.508: J4.12 35.92,58.19 37.89,56.22 37.89,52.35 38.69,51.55 52.83,51.55 54.07,52.79 69.23,52.79 70.85,54.41 74.42,54.41 v1(76.83,52)